# Allegro board 8880F5-0823_9.brd (continued)
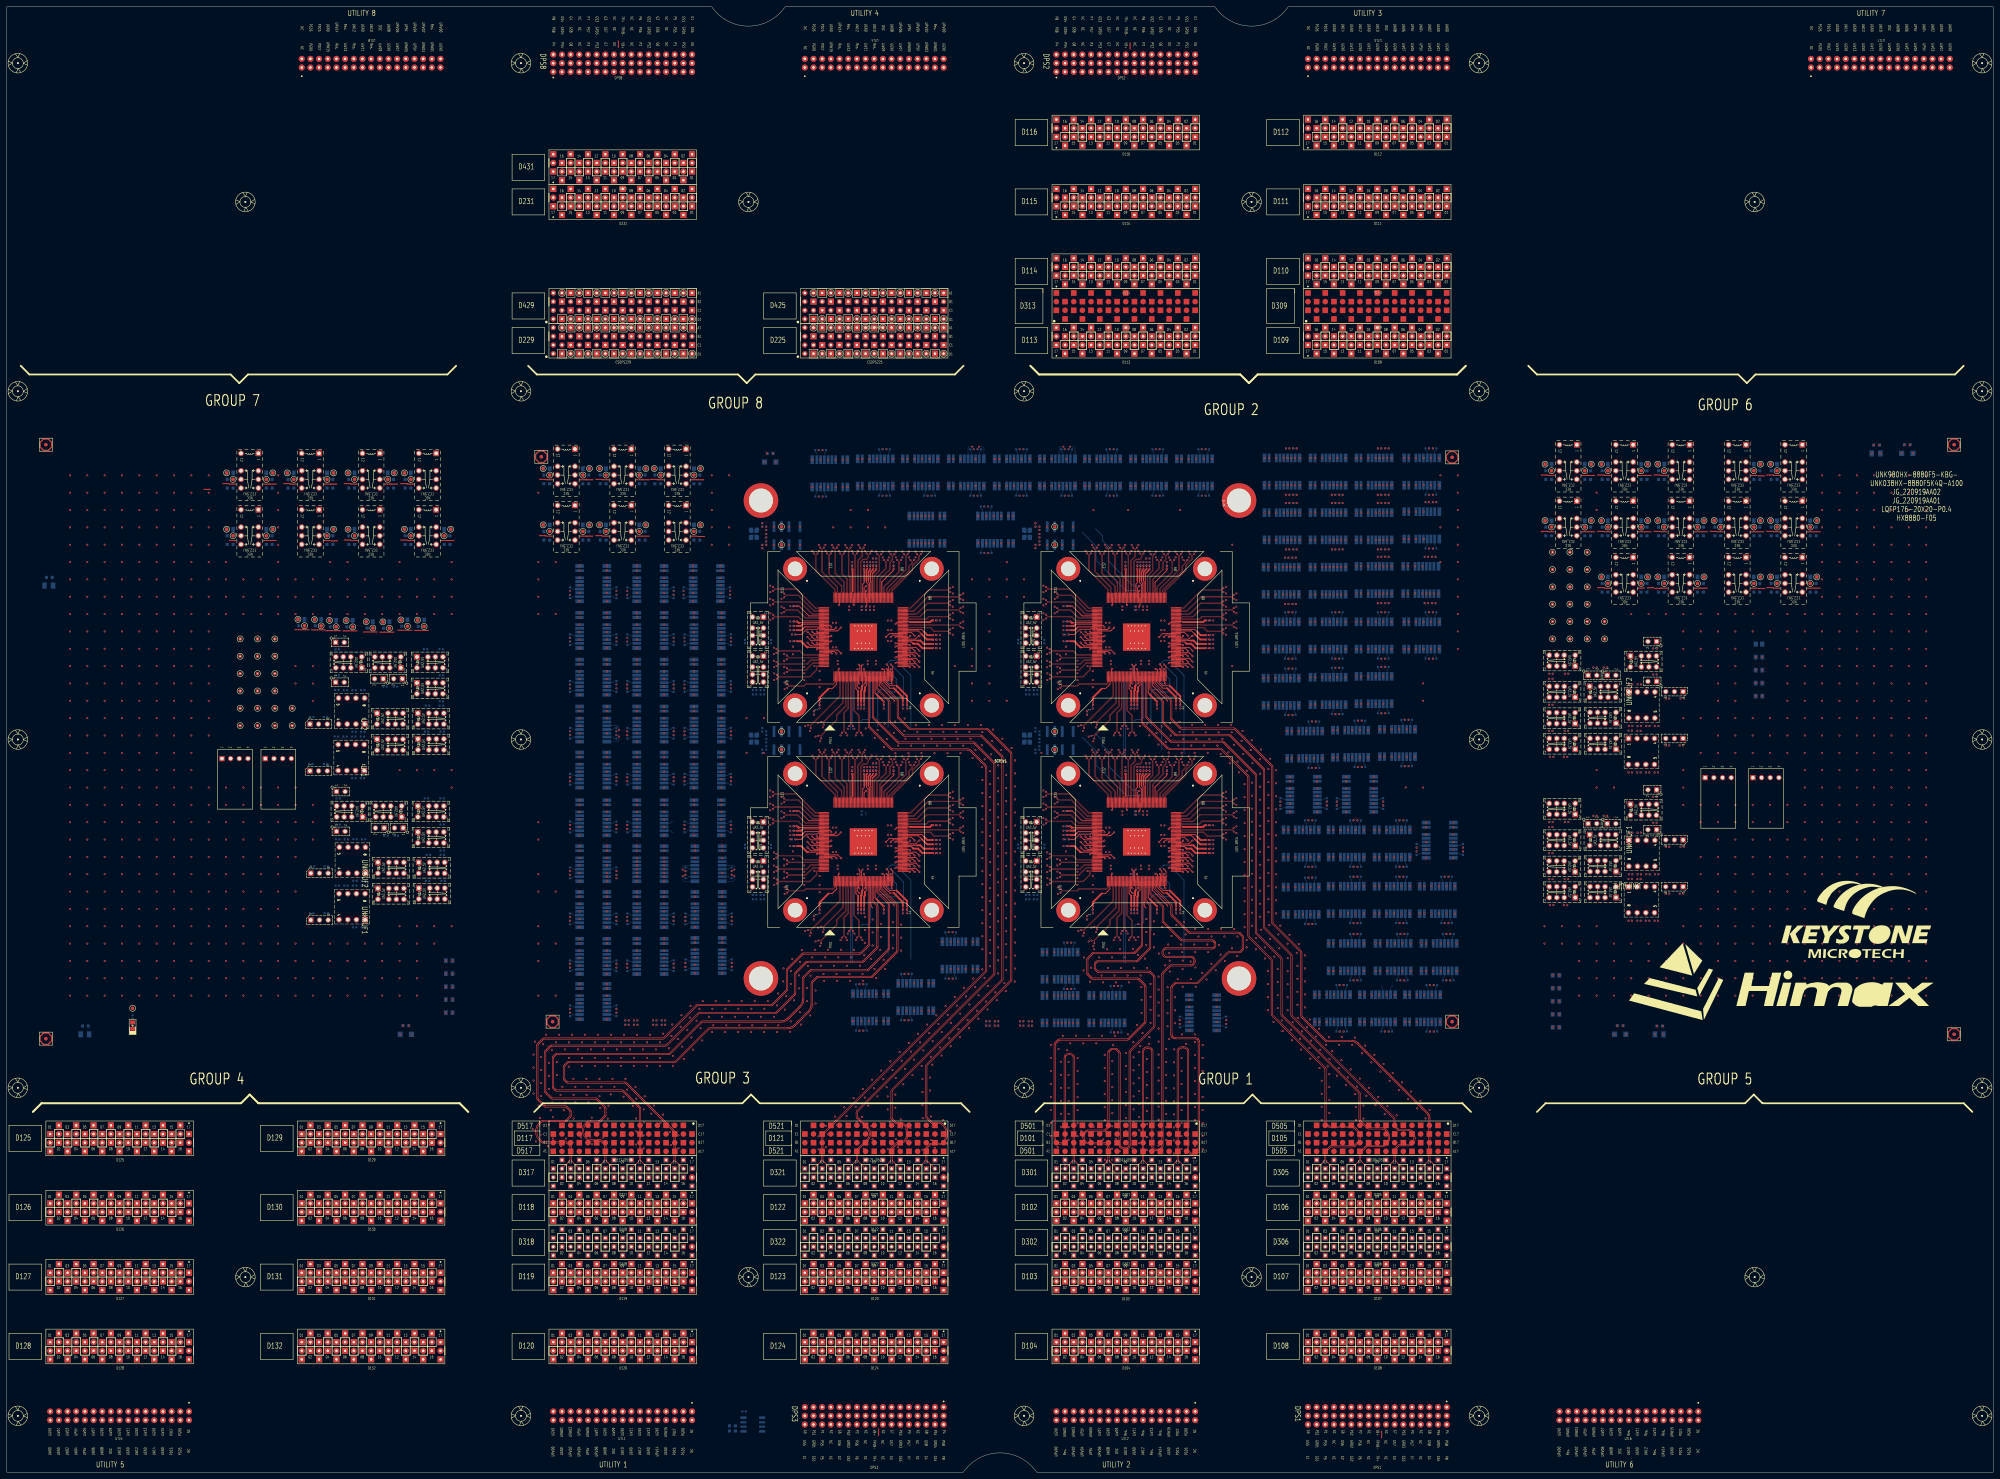
[diagram p0: board, top side]
## Placement (name value [footprint] x y rotation side) (continued)
NOREF#887  -  []  272.25 245.5 0 top
NOREF#888  -  []  107.02 171.57 0 top
NOREF#889  -  []  309.51 246.66 0 top
NOREF#890  -  []  252.83 204.65 90 top
NOREF#891  -  []  392.73 188.15 0 top
NOREF#892  -  []  182.82 148.4 90 top
NOREF#893  -  []  402.14 146.88 0 top
NOREF#894  -  []  175.7 175.56 90 top
NOREF#895  -  []  334.29 265.55 0 top
NOREF#896  -  []  369.63 273.11 0 top
NOREF#897  -  []  412.36 209.61 90 top
NOREF#898  -  []  383.09 289.12 0 top
NOREF#899  -  []  103.93 235.64 0 top
NOREF#900  -  []  495.08 259.9 90 top
NOREF#901  -  []  254.29 265.56 0 top
NOREF#902  -  []  200.98 260.9 90 top
NOREF#903  -  []  201.66 240.88 90 top
NOREF#904  -  []  369.63 273.11 0 top
NOREF#905  -  []  346.27 130.77 90 top
NOREF#906  -  []  122.44 171.1 0 top
NOREF#907  -  []  374.08 195.9 90 top
NOREF#908  -  []  283.25 147.43 90 top
NOREF#909  -  []  127.7 238.84 0 top
NOREF#910  -  []  396.28 180.2 90 top
NOREF#911  -  []  319.33 236.03 90 top
NOREF#912  -  []  384.59 179.6 90 top
NOREF#913  -  []  250.17 165.04 90 top
NOREF#914  -  []  343.95 224.74 90 top
NOREF#915  -  []  314.71 142.44 90 top
NOREF#916  -  []  287.27 286.96 90 top
NOREF#917  -  []  459.28 192.71 90 top
NOREF#918  -  []  378.75 256.66 90 top
NOREF#919  -  []  479.44 195.66 0 top
NOREF#920  -  []  288.74 290.13 90 top
NOREF#921  -  []  330.18 242.88 0 top
NOREF#922  -  []  201.21 276.04 90 top
NOREF#923  -  []  210.86 187.32 90 top
NOREF#924  -  []  286.55 288.31 90 top
NOREF#925  -  []  230.73 189.2 0 top
NOREF#926  -  []  379.48 239.21 90 top
NOREF#927  -  []  326.43 288.31 90 top
NOREF#928  -  []  413.71 178.82 0 top
NOREF#929  -  []  168.13 186.02 90 top
NOREF#930  -  []  252.6 288.86 0 top
NOREF#931  -  []  304.61 131.64 0 top
NOREF#932  -  []  295.96 237.06 0 top
NOREF#933  -  []  352.25 242.96 0 top
NOREF#934  -  []  232.25 211.67 90 top
NOREF#935  -  []  119.95 222.33 0 top
NOREF#936  -  []  118.7 188.08 0 top
NOREF#937  -  []  390.94 257.16 90 top
NOREF#938  -  []  326 288.86 90 top
NOREF#939  -  []  328.01 286.96 0 top
NOREF#940  -  []  396.03 180.15 0 top
NOREF#941  -  []  402.14 146.88 0 top
NOREF#942  -  []  200.98 255.15 0 top
NOREF#943  -  []  199.33 212.85 90 top
NOREF#944  -  []  310.73 193.69 0 top
NOREF#945  -  []  333.33 181.33 90 top
NOREF#946  -  []  403.99 163.64 0 top
NOREF#947  -  []  415.61 179.97 0 top
NOREF#948  -  []  237.66 164.74 0 top
NOREF#949  -  []  271.34 243.91 0 top
NOREF#950  -  []  268.01 296.86 0 top
NOREF#951  -  []  262.34 143.19 0 top
NOREF#952  -  []  303.26 152.34 0 top
NOREF#953  -  []  259.65 265.86 90 top
NOREF#954  -  []  290.11 280.1 0 top
NOREF#955  -  []  379 272.56 90 top
NOREF#956  -  []  395.2 265.37 0 top
NOREF#957  -  []  405.5 289.12 90 top
NOREF#958  -  []  286.12 288.86 90 top
NOREF#959  -  []  210.6 255.9 90 top
NOREF#960  -  []  192.47 205.19 90 top
NOREF#961  -  []  381.86 129.99 0 top
NOREF#962  -  []  201.23 206.29 90 top
NOREF#963  -  []  310.83 224.63 0 top
NOREF#964  -  []  546.67 300.44 90 top
NOREF#965  -  []  331.06 225.04 90 top
NOREF#966  -  []  127.99 214.79 0 top
NOREF#967  -  []  226.27 156.63 90 top
NOREF#968  -  []  250.17 225.04 90 top
NOREF#969  -  []  272.24 189.18 90 top
NOREF#970  -  []  253.72 265.86 90 top
NOREF#971  -  []  404.15 289.12 0 top
NOREF#972  -  []  403.99 188.15 0 top
NOREF#973  -  []  340.61 286.96 90 top
NOREF#974  -  []  98.53 238.84 0 top
NOREF#975  -  []  230.41 188.88 90 top
NOREF#976  -  []  264.72 272.65 90 top
NOREF#977  -  []  413.1 144.98 0 top
NOREF#978  -  []  461.86 187.32 0 top
NOREF#979  -  []  399.39 178.25 0 top
NOREF#980  -  []  399.8 207.46 90 top
NOREF#981  -  []  115.87 175.44 90 top
NOREF#982  -  []  259.84 133.29 90 top
NOREF#983  -  []  368.03 265.11 0 top
NOREF#984  -  []  201.23 200.54 90 top
NOREF#985  -  []  379.73 271.21 90 top
NOREF#986  -  []  271.34 249.5 0 top
NOREF#987  -  []  230.43 246.34 0 top
NOREF#988  -  []  392.47 224.3 90 top
NOREF#989  -  []  483.04 195.66 0 top
NOREF#990  -  []  263.31 224.74 0 top
NOREF#991  -  []  106.76 217.73 90 top
NOREF#992  -  []  330.49 164.74 90 top
NOREF#993  -  []  251.22 253.63 0 top
NOREF#994  -  []  201.23 214 0 top
NOREF#995  -  []  478.57 274.77 90 top
NOREF#996  -  []  210.86 242.18 90 top
NOREF#997  -  []  259.33 264.35 90 top
NOREF#998  -  []  263.14 282 0 top
NOREF#999  -  []  390.94 224.9 90 top
NOREF#1000  -  []  297.83 174.63 90 top
NOREF#1001  -  []  471.21 175.95 90 top
NOREF#1002  -  []  229.21 186.34 0 top
NOREF#1003  -  []  385.19 241.11 0 top
NOREF#1004  -  []  199.33 212.85 0 top
NOREF#1005  -  []  331.06 165.04 90 top
NOREF#1006  -  []  383.73 202.38 90 top
NOREF#1007  -  []  167.7 233.47 90 top
NOREF#1008  -  []  406.65 287.22 90 top
NOREF#1009  -  []  251.38 164.74 90 top
NOREF#1010  -  []  201.23 219.75 90 top
NOREF#1011  -  []  369.38 224.6 0 top
NOREF#1012  -  []  383.07 163.44 90 top
NOREF#1013  -  []  230.41 247.61 90 top
NOREF#1014  -  []  199.33 185.42 0 top
NOREF#1015  -  []  320.83 194.63 0 top
NOREF#1016  -  []  320.94 151.63 90 top
NOREF#1017  -  []  273.24 272.1 0 top
NOREF#1018  -  []  300.11 273.24 90 top
NOREF#1019  -  []  306.71 131.64 0 top
NOREF#1020  -  []  380.59 222.95 0 top
NOREF#1021  -  []  331.38 164.74 90 top
NOREF#1022  -  []  453.84 179.06 0 top
NOREF#1023  -  []  478.57 277.31 90 top
NOREF#1024  -  []  343.31 224.72 0 top
NOREF#1025  -  []  201.91 145.63 90 top
NOREF#1026  -  []  371.48 249.11 0 top
NOREF#1027  -  []  472.86 217.98 90 top
NOREF#1028  -  []  199.33 240.28 0 top
NOREF#1029  -  []  155.57 272.6 90 top
NOREF#1030  -  []  381.2 226.12 90 top
NOREF#1031  -  []  400.85 249.11 0 top
NOREF#1032  -  []  184.47 229.07 90 top
NOREF#1033  -  []  249.6 164.74 90 top
NOREF#1034  -  []  463.61 179.15 0 top
NOREF#1035  -  []  167.7 186.57 90 top
NOREF#1036  -  []  352.25 244.86 90 top
NOREF#1037  -  []  322.23 173.13 90 top
NOREF#1038  -  []  182.82 257.62 90 top
NOREF#1039  -  []  495.08 274.77 90 top
NOREF#1040  -  []  367.48 242.38 90 top
NOREF#1041  -  []  93.76 290.38 90 top
NOREF#1042  -  []  343.63 223.82 90 top
NOREF#1043  -  []  272.25 241.69 0 top
NOREF#1044  -  []  253.72 205.86 90 top
NOREF#1045  -  []  413.51 207.71 90 top
NOREF#1046  -  []  383.09 241.11 0 top
NOREF#1047  -  []  386.53 164.91 90 top
NOREF#1048  -  []  253.4 264.35 90 top
NOREF#1049  -  []  409.43 139.89 0 top
NOREF#1050  -  []  400.85 281.11 0 top
NOREF#1051  -  []  343.63 165.04 90 top
NOREF#1052  -  []  249.85 224.74 0 top
NOREF#1053  -  []  406.94 131.34 90 top
NOREF#1054  -  []  470.71 227 90 top
NOREF#1055  -  []  310.41 186.34 90 top
NOREF#1056  -  []  275.12 271.65 90 top
NOREF#1057  -  []  351.34 249.5 0 top
NOREF#1058  -  []  182.82 162.12 90 top
NOREF#1059  -  []  118.96 179.19 0 top
NOREF#1060  -  []  272.24 181.05 90 top
NOREF#1061  -  []  226.27 216.63 90 top
NOREF#1062  -  []  395.67 133.16 90 top
NOREF#1063  -  []  124.35 195.15 0 top
NOREF#1064  -  []  528.1 276.41 90 top
NOREF#1065  -  []  107.02 179.19 0 top
NOREF#1066  -  []  230.73 243.41 0 top
NOREF#1067  -  []  310.43 254.01 0 top
NOREF#1068  -  []  127.95 187.53 0 top
NOREF#1069  -  []  329.28 223.82 90 top
NOREF#1070  -  []  107.02 171.57 0 top
NOREF#1071  -  []  209.23 205.19 90 top
NOREF#1072  -  []  333.33 241.33 90 top
NOREF#1073  -  []  388.43 163.64 0 top
NOREF#1074  -  []  387.39 249.11 0 top
NOREF#1075  -  []  301.56 179.06 0 top
NOREF#1076  -  []  386.53 148.15 90 top
NOREF#1077  -  []  247.25 205.56 90 top
NOREF#1078  -  []  407.67 129.99 90 top
NOREF#1079  -  []  352.25 182.32 90 top
NOREF#1080  -  []  184.47 173.11 90 top
NOREF#1081  -  []  313.98 131.19 90 top
NOREF#1082  -  []  351.04 244.23 0 top
NOREF#1083  -  []  419.22 257.37 90 top
NOREF#1084  -  []  247.57 205.86 90 top
NOREF#1085  -  []  310.43 247.61 90 top
NOREF#1086  -  []  273.59 272.15 90 top
NOREF#1087  -  []  410.84 163.64 90 top
NOREF#1088  -  []  301.56 190.49 0 top
NOREF#1089  -  []  451.68 230.2 0 top
NOREF#1090  -  []  337.9 186.99 0 top
NOREF#1091  -  []  397.8 146.33 90 top
NOREF#1092  -  []  385.19 257.11 0 top
NOREF#1093  -  []  460.89 174.46 90 top
NOREF#1094  -  []  465.81 222.58 0 top
NOREF#1095  -  []  118.7 190.55 90 top
NOREF#1096  -  []  175.7 182.06 90 top
NOREF#1097  -  []  199.84 148.65 90 top
NOREF#1098  -  []  272.55 242.64 0 top
NOREF#1099  -  []  298.13 214.06 0 top
NOREF#1100  -  []  249.28 163.82 90 top
NOREF#1101  -  []  392.04 257.11 90 top
NOREF#1102  -  []  237.83 197.63 0 top
NOREF#1103  -  []  225.83 264.31 0 top
NOREF#1104  -  []  346.27 135.17 90 top
NOREF#1105  -  []  247.25 205.55 0 top
NOREF#1106  -  []  322.23 233.13 90 top
NOREF#1107  -  []  462.06 274.77 90 top
NOREF#1108  -  []  279.27 296.86 0 top
NOREF#1109  -  []  318.32 131.64 0 top
NOREF#1110  -  []  410.52 273.37 0 top
NOREF#1111  -  []  261.63 233.83 90 top
NOREF#1112  -  []  192.47 216.45 90 top
NOREF#1113  -  []  339.33 264.35 90 top
NOREF#1114  -  []  310.73 187.93 0 top
NOREF#1115  -  []  194.09 201.29 90 top
NOREF#1116  -  []  275.28 290.13 90 top
NOREF#1117  -  []  209.49 162.1 90 top
NOREF#1118  -  []  263.95 223.52 90 top
NOREF#1119  -  []  105.83 190.55 90 top
NOREF#1120  -  []  332.51 204.35 90 top
NOREF#1121  -  []  230.43 249.52 0 top
NOREF#1122  -  []  106.36 190.55 0 top
NOREF#1123  -  []  35.83 128.17 90 top
NOREF#1124  -  []  310.43 193.37 90 top
NOREF#1125  -  []  119.95 187.53 0 top
NOREF#1126  -  []  251.33 140.14 0 top
NOREF#1127  -  []  384.17 163.39 90 top
NOREF#1128  -  []  201.23 192.32 90 top
NOREF#1129  -  []  218.16 237.06 0 top
NOREF#1130  -  []  199.59 189.04 90 top
NOREF#1131  -  []  318.3 163.52 90 top
NOREF#1132  -  []  260.99 143.19 0 top
NOREF#1133  -  []  182.57 185.42 90 top
NOREF#1134  -  []  223.15 211.32 90 top
NOREF#1135  -  []  167.7 145.93 90 top
NOREF#1136  -  []  210.86 228.47 90 top
NOREF#1137  -  []  354.27 138.37 90 top
NOREF#1138  -  []  482.64 192.46 90 top
NOREF#1139  -  []  303.84 288.86 0 top
NOREF#1140  -  []  257.9 186.35 90 top
NOREF#1141  -  []  388.43 180.15 0 top
NOREF#1142  -  []  296.96 180.71 0 top
NOREF#1143  -  []  320.94 211.63 90 top
NOREF#1144  -  []  423.45 146.93 90 top
NOREF#1145  -  []  167.7 132.72 90 top
NOREF#1146  -  []  339.65 204.65 90 top
NOREF#1147  -  []  251.94 204.65 90 top
NOREF#1148  -  []  127.55 191.95 90 top
NOREF#1149  -  []  411.52 146.33 90 top
NOREF#1150  -  []  271.04 184.23 0 top
NOREF#1151  -  []  315.7 296.86 0 top
NOREF#1152  -  []  184.89 227.17 90 top
NOREF#1153  -  []  463.11 186.77 0 top
NOREF#1154  -  []  167.7 241.43 0 top
NOREF#1155  -  []  112.16 238.84 0 top
NOREF#1156  -  []  392.21 131.94 90 top
NOREF#1157  -  []  175.8 187.82 90 top
NOREF#1158  -  []  167.7 174.46 90 top
NOREF#1159  -  []  265.64 280.1 0 top
NOREF#1160  -  []  248.33 247.93 0 top
NOREF#1161  -  []  246.23 233.13 0 top
NOREF#1162  -  []  378.58 289.12 90 top
NOREF#1163  -  []  310.43 187.61 90 top
NOREF#1164  -  []  398.65 257.37 0 top
NOREF#1165  -  []  271.82 134.74 90 top
NOREF#1166  -  []  367.13 271.21 0 top
NOREF#1167  -  []  309.51 193.69 0 top
NOREF#1168  -  []  309.51 249.2 0 top
NOREF#1169  -  []  201.21 273.5 90 top
NOREF#1170  -  []  182.57 144.78 0 top
NOREF#1171  -  []  369.38 257.11 0 top
NOREF#1172  -  []  399.39 161.74 0 top
NOREF#1173  -  []  470.71 183.57 90 top
NOREF#1174  -  []  394.05 287.22 0 top
NOREF#1175  -  []  209.59 147.43 90 top
NOREF#1176  -  []  295.96 177.06 0 top
NOREF#1177  -  []  279.7 155.38 0 top
NOREF#1178  -  []  201.23 215.35 90 top
NOREF#1179  -  []  167.7 173.11 0 top
NOREF#1180  -  []  122.19 214.79 0 top
NOREF#1181  -  []  167.7 255.15 0 top
NOREF#1182  -  []  258.1 288.86 0 top
NOREF#1183  -  []  201.49 147.53 90 top
NOREF#1184  -  []  463.61 222.58 0 top
NOREF#1185  -  []  383.09 273.11 0 top
NOREF#1186  -  []  353.35 288.41 90 top
NOREF#1187  -  []  194.09 228.47 90 top
NOREF#1188  -  []  184.47 204.09 90 top
NOREF#1189  -  []  201.49 178.86 90 top
NOREF#1190  -  []  327.25 265.56 0 top
NOREF#1191  -  []  222.67 298 90 top
NOREF#1192  -  []  166.06 203.01 90 top
NOREF#1193  -  []  301.95 290.13 90 top
NOREF#1194  -  []  308.91 139.64 0 top
NOREF#1195  -  []  201.49 151.93 90 top
NOREF#1196  -  []  209.23 230.17 90 top
NOREF#1197  -  []  127.3 228.02 90 top
NOREF#1198  -  []  271.04 181.69 0 top
NOREF#1199  -  []  271.34 181.37 0 top
NOREF#1200  -  []  400.79 154.88 0 top
NOREF#1201  -  []  310.43 249.52 0 top
NOREF#1202  -  []  119.7 238.84 0 top
NOREF#1203  -  []  460.93 182.17 90 top
NOREF#1204  -  []  424.05 163.64 90 top
NOREF#1205  -  []  310.43 193.37 0 top
NOREF#1206  -  []  375.73 196.98 90 top
NOREF#1207  -  []  230.43 189.52 0 top
NOREF#1208  -  []  258.2 246.67 0 top
NOREF#1209  -  []  309.05 271.67 0 top
NOREF#1210  -  []  167.7 159.65 0 top
NOREF#1211  -  []  165.8 131.57 0 top
NOREF#1212  -  []  390.94 289.17 90 top
NOREF#1213  -  []  199.84 175.58 90 top
NOREF#1214  -  []  415.6 146.88 0 top
NOREF#1215  -  []  377.23 241.16 90 top
NOREF#1216  -  []  167.7 201.89 90 top
NOREF#1217  -  []  292.74 288.86 0 top
NOREF#1218  -  []  352.55 181.37 0 top
NOREF#1219  -  []  192.47 154.88 90 top
NOREF#1220  -  []  167.7 178.86 90 top
NOREF#1221  -  []  300.36 237.06 0 top
NOREF#1222  -  []  473.79 234.49 90 top
NOREF#1223  -  []  199.08 254 90 top
NOREF#1224  -  []  271.04 245.5 0 top
NOREF#1225  -  []  209.33 215.25 90 top
NOREF#1226  -  []  404.4 241.16 90 top
NOREF#1227  -  []  175.7 264.1 90 top
NOREF#1228  -  []  175.7 230.17 90 top
NOREF#1229  -  []  336.45 164.74 0 top
NOREF#1230  -  []  249.28 223.82 90 top
NOREF#1231  -  []  330.74 224.72 0 top
NOREF#1232  -  []  175.7 232.37 90 top
NOREF#1233  -  []  409.17 281.37 0 top
NOREF#1234  -  []  225.83 204.31 0 top
NOREF#1235  -  []  309.21 193.37 0 top
NOREF#1236  -  []  352.25 189.18 90 top
NOREF#1237  -  []  331.62 205.56 90 top
NOREF#1238  -  []  312.21 144.34 0 top
NOREF#1239  -  []  341.63 195.43 90 top
NOREF#1240  -  []  100.98 195.15 0 top
NOREF#1241  -  []  352.55 243.91 0 top
NOREF#1242  -  []  218.16 248.49 0 top
NOREF#1243  -  []  250.49 164.74 90 top
NOREF#1244  -  []  468.01 222.58 0 top
NOREF#1245  -  []  408.63 242.38 90 top
NOREF#1246  -  []  410.78 131.89 0 top
NOREF#1247  -  []  167.7 165.4 90 top
NOREF#1248  -  []  106.76 222.88 0 top
NOREF#1249  -  []  404.4 257.42 90 top
NOREF#1250  -  []  467.51 230.2 0 top
NOREF#1251  -  []  352.24 242.32 90 top
NOREF#1252  -  []  528.1 257.36 90 top
NOREF#1253  -  []  184.89 159.1 90 top
NOREF#1254  -  []  326.17 131.69 90 top
NOREF#1255  -  []  324.9 288.91 90 top
NOREF#1256  -  []  330.51 288.86 0 top
NOREF#1257  -  []  177.33 242.18 90 top
NOREF#1258  -  []  84.04 287.84 90 top
NOREF#1259  -  []  175.8 147.18 90 top
NOREF#1260  -  []  396.55 273.11 0 top
NOREF#1261  -  []  182.57 254 90 top
NOREF#1262  -  []  175.7 135.17 90 top
NOREF#1263  -  []  168.13 227.17 90 top
NOREF#1264  -  []  263.2 232.26 90 top
NOREF#1265  -  []  412.62 297.12 0 top
NOREF#1266  -  []  201.23 219.75 90 top
NOREF#1267  -  []  262.04 224.72 0 top
NOREF#1268  -  []  459.28 183.57 90 top
NOREF#1269  -  []  210.86 201.29 90 top
NOREF#1270  -  []  166.06 243.9 90 top
NOREF#1271  -  []  318.45 257.01 0 top
NOREF#1272  -  []  405.93 224.66 90 top
NOREF#1273  -  []  371.48 232.6 0 top
NOREF#1274  -  []  215.96 188.49 0 top
NOREF#1275  -  []  451.68 171.53 0 top
NOREF#1276  -  []  184.47 247.18 90 top
NOREF#1277  -  []  167.7 256.5 90 top
NOREF#1278  -  []  408.28 129.99 0 top
NOREF#1279  -  []  184.47 241.43 90 top
NOREF#1280  -  []  343.2 232.26 90 top
NOREF#1281  -  []  222.11 252.14 0 top
NOREF#1282  -  []  253.53 140.14 0 top
NOREF#1283  -  []  251.94 265.86 90 top
NOREF#1284  -  []  199.59 216.47 90 top
NOREF#1285  -  []  223.15 271.32 90 top
NOREF#1286  -  []  554.86 298.45 0 top
NOREF#1287  -  []  330.51 288.86 0 top
NOREF#1288  -  []  165.8 144.78 0 top
NOREF#1289  -  []  396.03 146.88 0 top
NOREF#1290  -  []  201.66 199.99 90 top
NOREF#1291  -  []  398.53 144.98 90 top
NOREF#1292  -  []  332.83 205.86 90 top
NOREF#1293  -  []  75.98 273.87 90 top
NOREF#1294  -  []  411.26 179.7 90 top
NOREF#1295  -  []  247.25 265.56 0 top
NOREF#1296  -  []  194.09 242.18 90 top
NOREF#1297  -  []  184.47 258.7 90 top
NOREF#1298  -  []  417.7 146.88 0 top
NOREF#1299  -  []  293.66 272.15 90 top
NOREF#1300  -  []  351.34 243.91 0 top
NOREF#1301  -  []  376.98 224.6 0 top
NOREF#1302  -  []  251.06 163.82 90 top
NOREF#1303  -  []  483.17 130.26 90 top
NOREF#1304  -  []  167.7 260.9 90 top
NOREF#1305  -  []  412.62 249.11 0 top
NOREF#1306  -  []  352.25 189.82 0 top
NOREF#1307  -  []  459.24 219.3 90 top
NOREF#1308  -  []  319.33 243.63 90 top
NOREF#1309  -  []  201.21 290.01 90 top
NOREF#1310  -  []  209.59 160.9 90 top
NOREF#1311  -  []  230.43 193.37 0 top
NOREF#1312  -  []  165.8 199.39 0 top
NOREF#1313  -  []  478.57 291.28 90 top
NOREF#1314  -  []  405.93 256.82 90 top
NOREF#1315  -  []  310.41 243.09 90 top
NOREF#1316  -  []  483.04 239.09 0 top
NOREF#1317  -  []  175.8 160.9 90 top
NOREF#1318  -  []  388.43 146.88 0 top
NOREF#1319  -  []  172.08 289.11 90 top
NOREF#1320  -  []  229.51 193.69 0 top
NOREF#1321  -  []  473.79 196.21 0 top
NOREF#1322  -  []  382.82 163.39 0 top
NOREF#1323  -  []  319.33 176.03 90 top
NOREF#1324  -  []  266.74 143.19 0 top
NOREF#1325  -  []  167.7 227.72 0 top
NOREF#1326  -  []  241.82 227.13 90 top
NOREF#1327  -  []  184.47 200.54 90 top
NOREF#1328  -  []  271.56 288.91 90 top
NOREF#1329  -  []  229.21 253.37 0 top
NOREF#1330  -  []  408.37 258.64 90 top
NOREF#1331  -  []  215.96 248.49 0 top
NOREF#1332  -  []  332.83 265.86 90 top
NOREF#1333  -  []  167.7 136.27 90 top
NOREF#1334  -  []  397.38 163.64 90 top
NOREF#1335  -  []  11.6 261.68 90 top
NOREF#1336  -  []  449.99 174.46 0 top
NOREF#1337  -  []  501.87 276.41 90 top
NOREF#1338  -  []  373.87 188.15 0 top
NOREF#1339  -  []  387.08 171.64 0 top
NOREF#1340  -  []  351.34 183.91 0 top
NOREF#1341  -  []  303.84 288.86 0 top
NOREF#1342  -  []  340.83 234.63 90 top
NOREF#1343  -  []  376.23 209.11 0 top
NOREF#1344  -  []  100.73 238.84 0 top
NOREF#1345  -  []  392.47 256.56 90 top
NOREF#1346  -  []  246.63 142.04 0 top
NOREF#1347  -  []  108.01 195.15 0 top
NOREF#1348  -  []  312.25 271.67 90 top
NOREF#1349  -  []  235.4 289.88 90 top
NOREF#1350  -  []  329.6 223.52 90 top
NOREF#1351  -  []  259.33 205.55 0 top
NOREF#1352  -  []  241.6 296.61 0 top
NOREF#1353  -  []  284.77 146.93 90 top
NOREF#1354  -  []  155.57 291.65 90 top
NOREF#1355  -  []  332.51 265.55 0 top
NOREF#1356  -  []  247.25 265.56 90 top
NOREF#1357  -  []  448.94 273.87 90 top
NOREF#1358  -  []  167.7 200.54 0 top
NOREF#1359  -  []  252.51 265.56 0 top
NOREF#1360  -  []  310.43 183.09 90 top
NOREF#1361  -  []  260.99 135.19 90 top
NOREF#1362  -  []  355.89 130.17 90 top
NOREF#1363  -  []  244.8 288.61 0 top
NOREF#1364  -  []  449.99 174.46 0 top
NOREF#1365  -  []  383.09 289.12 0 top
NOREF#1366  -  []  301.56 182.89 0 top
NOREF#1367  -  []  518.38 257.36 90 top
NOREF#1368  -  []  201.4 254.6 90 top
NOREF#1369  -  []  298.16 237.06 0 top
NOREF#1370  -  []  375.22 163.39 0 top
NOREF#1371  -  []  259.88 288.31 90 top
NOREF#1372  -  []  411.09 146.88 90 top
NOREF#1373  -  []  94.68 234.24 0 top
NOREF#1374  -  []  256.77 225.04 90 top
NOREF#1375  -  []  328.33 187.93 0 top
NOREF#1376  -  []  372.72 161.49 0 top
NOREF#1377  -  []  237.57 209.63 90 top
NOREF#1378  -  []  262.36 165.04 90 top
NOREF#1379  -  []  327.15 286.96 90 top
NOREF#1380  -  []  259.33 205.56 0 top
NOREF#1381  -  []  369.38 257.11 0 top
NOREF#1382  -  []  477.24 195.66 0 top
NOREF#1383  -  []  252.51 205.56 0 top
NOREF#1384  -  []  177.33 255.9 90 top
NOREF#1385  -  []  232.25 271.67 90 top
NOREF#1386  -  []  298.13 274.06 90 top
NOREF#1387  -  []  298.24 288.86 0 top
NOREF#1388  -  []  511.59 293.82 90 top
NOREF#1389  -  []  389.7 209.36 0 top
NOREF#1390  -  []  223.56 185.29 90 top
NOREF#1391  -  []  208.98 264.1 90 top
NOREF#1392  -  []  467.51 186.77 0 top
NOREF#1393  -  []  272.24 184.86 90 top
NOREF#1394  -  []  192.47 257.6 90 top
NOREF#1395  -  []  231.15 219.63 90 top
NOREF#1396  -  []  311.15 219.63 90 top
NOREF#1397  -  []  259.33 205.56 90 top
NOREF#1398  -  []  331.54 192.73 90 top
NOREF#1399  -  []  367.13 287.22 0 top
NOREF#1400  -  []  239.33 183.63 90 top
NOREF#1401  -  []  328.96 224.72 0 top
NOREF#1402  -  []  415.08 139.89 0 top
NOREF#1403  -  []  473.79 239.64 0 top
NOREF#1404  -  []  167.7 173.11 90 top
NOREF#1405  -  []  221.56 242.89 0 top
NOREF#1406  -  []  184.47 217.55 90 top
NOREF#1407  -  []  249.85 224.72 0 top
NOREF#1408  -  []  471.59 130.36 90 top
NOREF#1409  -  []  155.57 289.11 90 top
NOREF#1410  -  []  247.57 204.65 90 top
NOREF#1411  -  []  463.11 230.2 0 top
NOREF#1412  -  []  297.41 213.24 90 top
NOREF#1413  -  []  271.34 189.5 0 top
NOREF#1414  -  []  117.26 190.55 90 top
NOREF#1415  -  []  229.51 246.66 0 top
NOREF#1416  -  []  184.89 213.45 90 top
NOREF#1417  -  []  337.9 246.35 90 top
NOREF#1418  -  []  199.59 171.96 90 top
NOREF#1419  -  []  371.73 289.12 0 top
NOREF#1420  -  []  112.41 195.15 0 top
NOREF#1421  -  []  106.36 190.55 0 top
NOREF#1422  -  []  420.15 131.34 90 top
NOREF#1423  -  []  384.59 162.94 90 top
NOREF#1424  -  []  230.73 246.66 0 top
NOREF#1425  -  []  110.21 214.71 0 top
NOREF#1426  -  []  309.51 247.93 0 top
NOREF#1427  -  []  201.91 172.56 90 top
NOREF#1428  -  []  459.28 236.14 0 top
NOREF#1429  -  []  259.88 288.41 90 top
NOREF#1430  -  []  415.61 185.72 90 top
NOREF#1431  -  []  396.22 139.89 0 top
NOREF#1432  -  []  272.25 244.86 90 top
NOREF#1433  -  []  209.33 228.97 90 top
NOREF#1434  -  []  381.74 297.12 0 top
NOREF#1435  -  []  303.15 211.32 90 top
NOREF#1436  -  []  378.75 240.56 90 top
NOREF#1437  -  []  230.83 164.63 0 top
NOREF#1438  -  []  283.21 270.2 90 top
NOREF#1439  -  []  310.73 193.69 0 top
NOREF#1440  -  []  201.49 176.66 90 top
NOREF#1441  -  []  410.52 289.12 0 top
NOREF#1442  -  []  201.49 159.65 90 top
NOREF#1443  -  []  250.74 164.72 0 top
NOREF#1444  -  []  192.47 222.95 90 top
NOREF#1445  -  []  260.6 286.96 90 top
NOREF#1446  -  []  271.34 185.18 0 top
NOREF#1447  -  []  404.24 146.88 0 top
NOREF#1448  -  []  75.98 287.84 90 top
NOREF#1449  -  []  184.47 161 90 top
NOREF#1450  -  []  331.22 193.63 0 top
NOREF#1451  -  []  352.24 189.18 90 top
NOREF#1452  -  []  377.32 180.15 0 top
NOREF#1453  -  []  259.33 265.55 0 top
NOREF#1454  -  []  272.8 157.28 0 top
NOREF#1455  -  []  201.23 200.54 0 top
NOREF#1456  -  []  239.4 296.61 0 top
NOREF#1457  -  []  334.29 265.56 90 top
NOREF#1458  -  []  451.68 214.96 0 top
NOREF#1459  -  []  251.06 165.04 90 top
NOREF#1460  -  []  253.53 140.14 0 top
NOREF#1461  -  []  192.57 174.36 90 top
NOREF#1462  -  []  175.7 257.6 90 top
NOREF#1463  -  []  376.15 192.88 90 top
NOREF#1464  -  []  256.73 132.14 0 top
NOREF#1465  -  []  310.43 248.88 90 top
NOREF#1466  -  []  104.18 191.95 0 top
NOREF#1467  -  []  346.27 132.97 90 top
NOREF#1468  -  []  352.55 183.91 0 top
NOREF#1469  -  []  377.23 273.11 0 top
NOREF#1470  -  []  346.27 129.42 90 top
NOREF#1471  -  []  184.47 174.46 90 top
NOREF#1472  -  []  257.08 132.19 90 top
NOREF#1473  -  []  528.1 273.87 90 top
NOREF#1474  -  []  351.04 189.18 0 top
NOREF#1475  -  []  373.83 192.28 90 top
NOREF#1476  -  []  295.96 188.49 0 top
NOREF#1477  -  []  177.33 228.47 90 top
NOREF#1478  -  []  104.18 191.95 90 top
NOREF#1479  -  []  201.49 173.11 0 top
NOREF#1480  -  []  175.7 195.52 90 top
NOREF#1481  -  []  450.03 210.36 0 top
NOREF#1482  -  []  310.41 188.88 90 top
NOREF#1483  -  []  333.4 265.56 0 top
NOREF#1484  -  []  375.73 199.18 90 top
NOREF#1485  -  []  118.74 215.34 0 top
NOREF#1486  -  []  219.76 297.18 0 top
NOREF#1487  -  []  410.78 131.89 0 top
NOREF#1488  -  []  308.14 296.86 0 top
NOREF#1489  -  []  229.21 248.88 0 top
NOREF#1490  -  []  383.83 209.11 0 top
NOREF#1491  -  []  422.7 163.64 0 top
NOREF#1492  -  []  450.03 191.31 0 top
NOREF#1493  -  []  419.9 240.66 90 top
NOREF#1494  -  []  318.3 223.52 90 top
NOREF#1495  -  []  377.23 224.65 90 top
NOREF#1496  -  []  303.56 245.29 90 top
NOREF#1497  -  []  385.19 224.85 0 top
NOREF#1498  -  []  329.85 224.74 0 top
NOREF#1499  -  []  311.15 159.63 90 top
NOREF#1500  -  []  392.47 288.67 90 top
NOREF#1501  -  []  398.65 265.37 0 top
NOREF#1502  -  []  412.79 209.16 90 top
NOREF#1503  -  []  201.23 241.43 90 top
NOREF#1504  -  []  343.31 164.72 0 top
NOREF#1505  -  []  351.83 288.91 90 top
NOREF#1506  -  []  185.2 292.55 90 top
NOREF#1507  -  []  414.25 154.88 0 top
NOREF#1508  -  []  217.71 216.09 0 top
NOREF#1509  -  []  465.81 179.15 0 top
NOREF#1510  -  []  333.4 265.56 90 top
NOREF#1511  -  []  310.41 248.88 90 top
NOREF#1512  -  []  418.12 257.42 90 top
NOREF#1513  -  []  406.95 131.44 90 top
NOREF#1514  -  []  314.33 228.13 90 top
NOREF#1515  -  []  271.04 189.82 0 top
NOREF#1516  -  []  182.57 199.39 0 top
NOREF#1517  -  []  330.18 182.88 0 top
NOREF#1518  -  []  472.86 210.36 90 top
NOREF#1519  -  []  310.73 249.2 0 top
NOREF#1520  -  []  252.83 265.86 90 top
NOREF#1521  -  []  218.13 214.06 90 top
NOREF#1522  -  []  121.9 238.84 0 top
NOREF#1523  -  []  230.41 187.61 90 top